# KiCad board data-center-rdimm-ddr5-tester.kicad_pcb
title: RDIMM DDR5 Tester; date: 2026-05-21; rev: 2.2.0; company: Antmicro
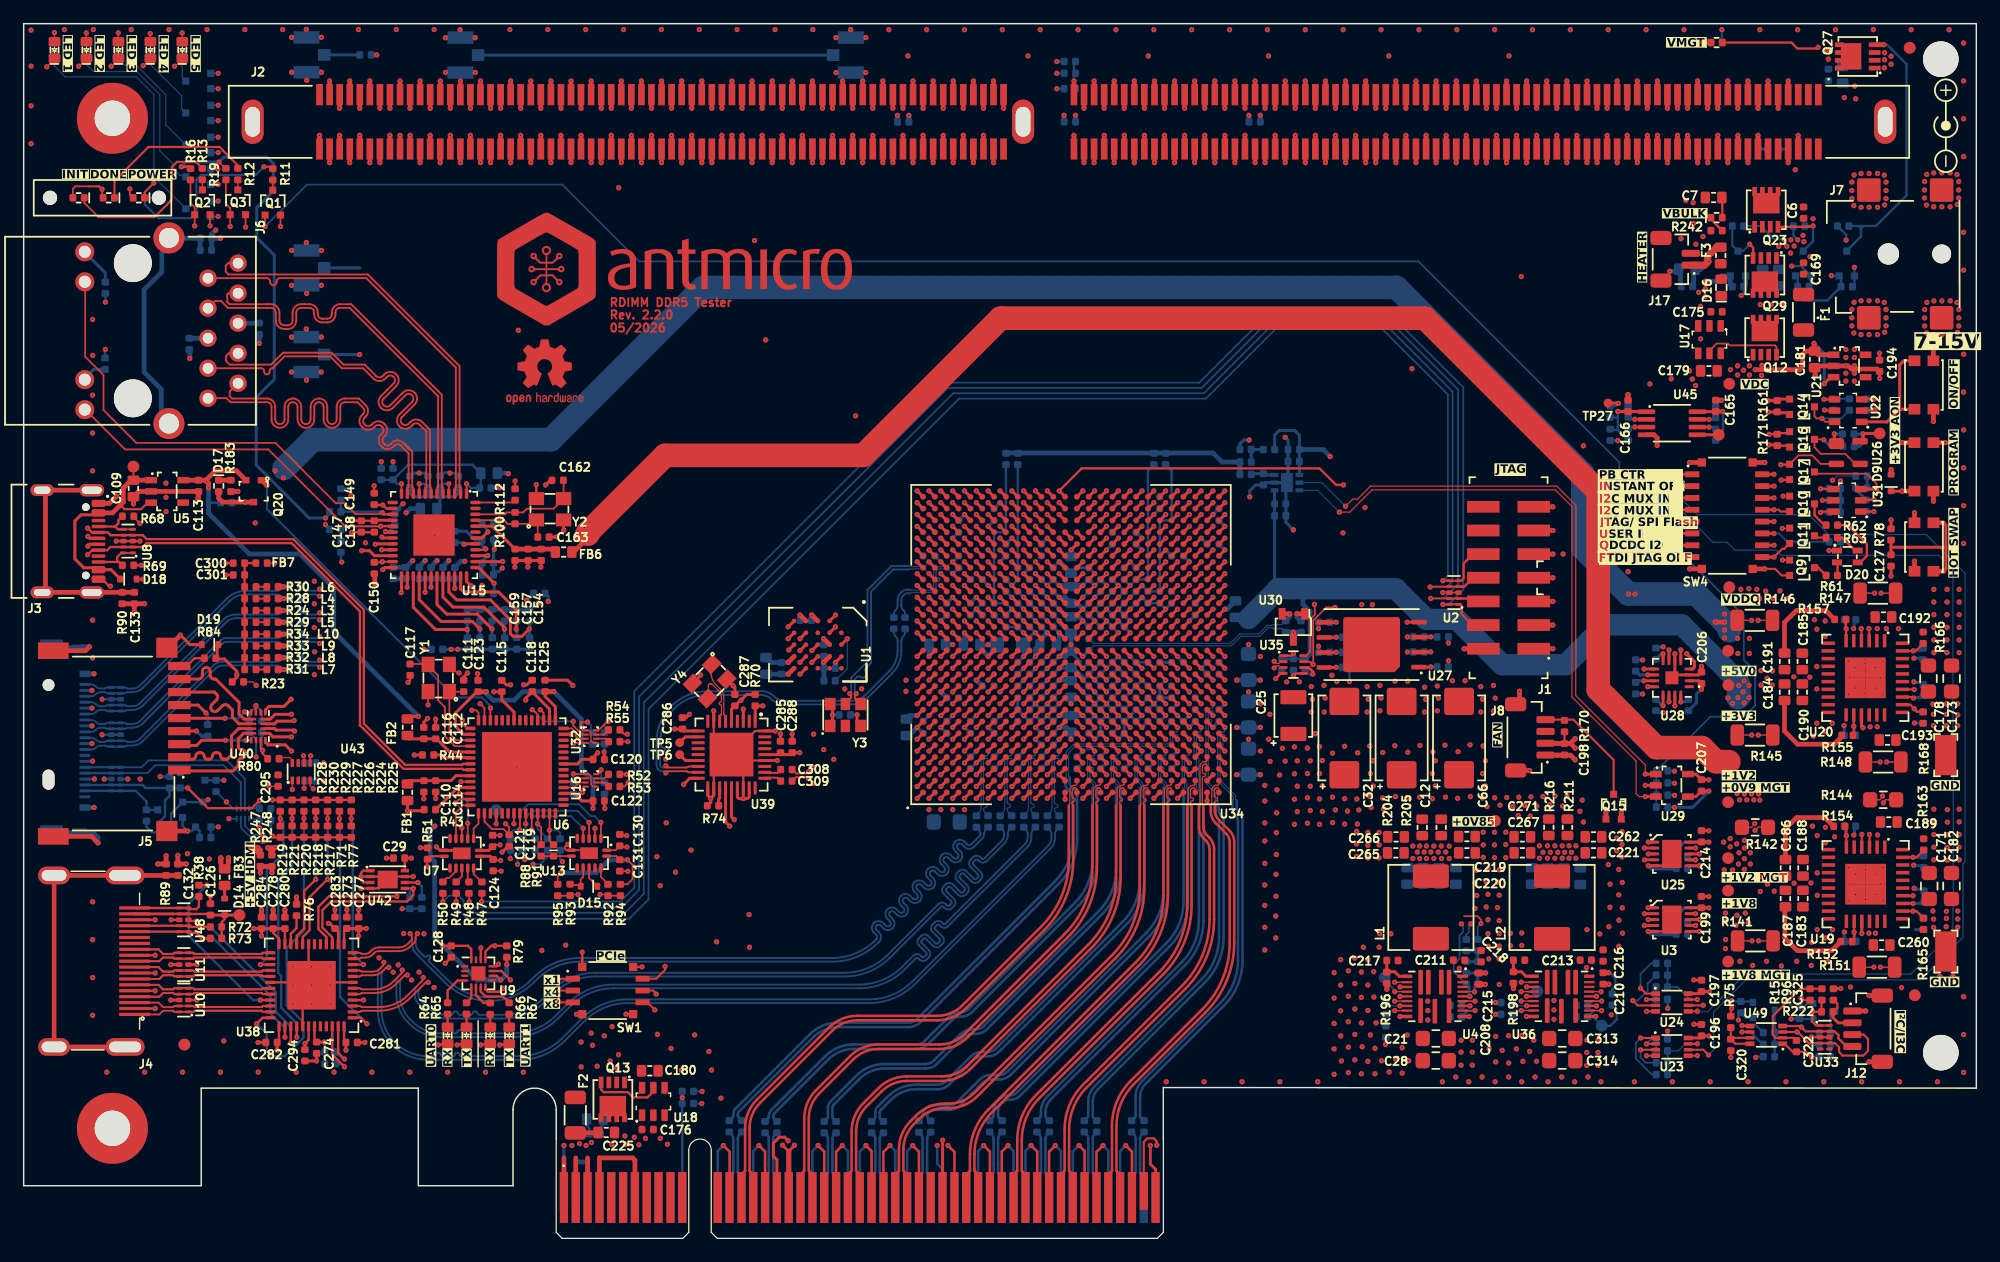
[diagram p0: board, top side]
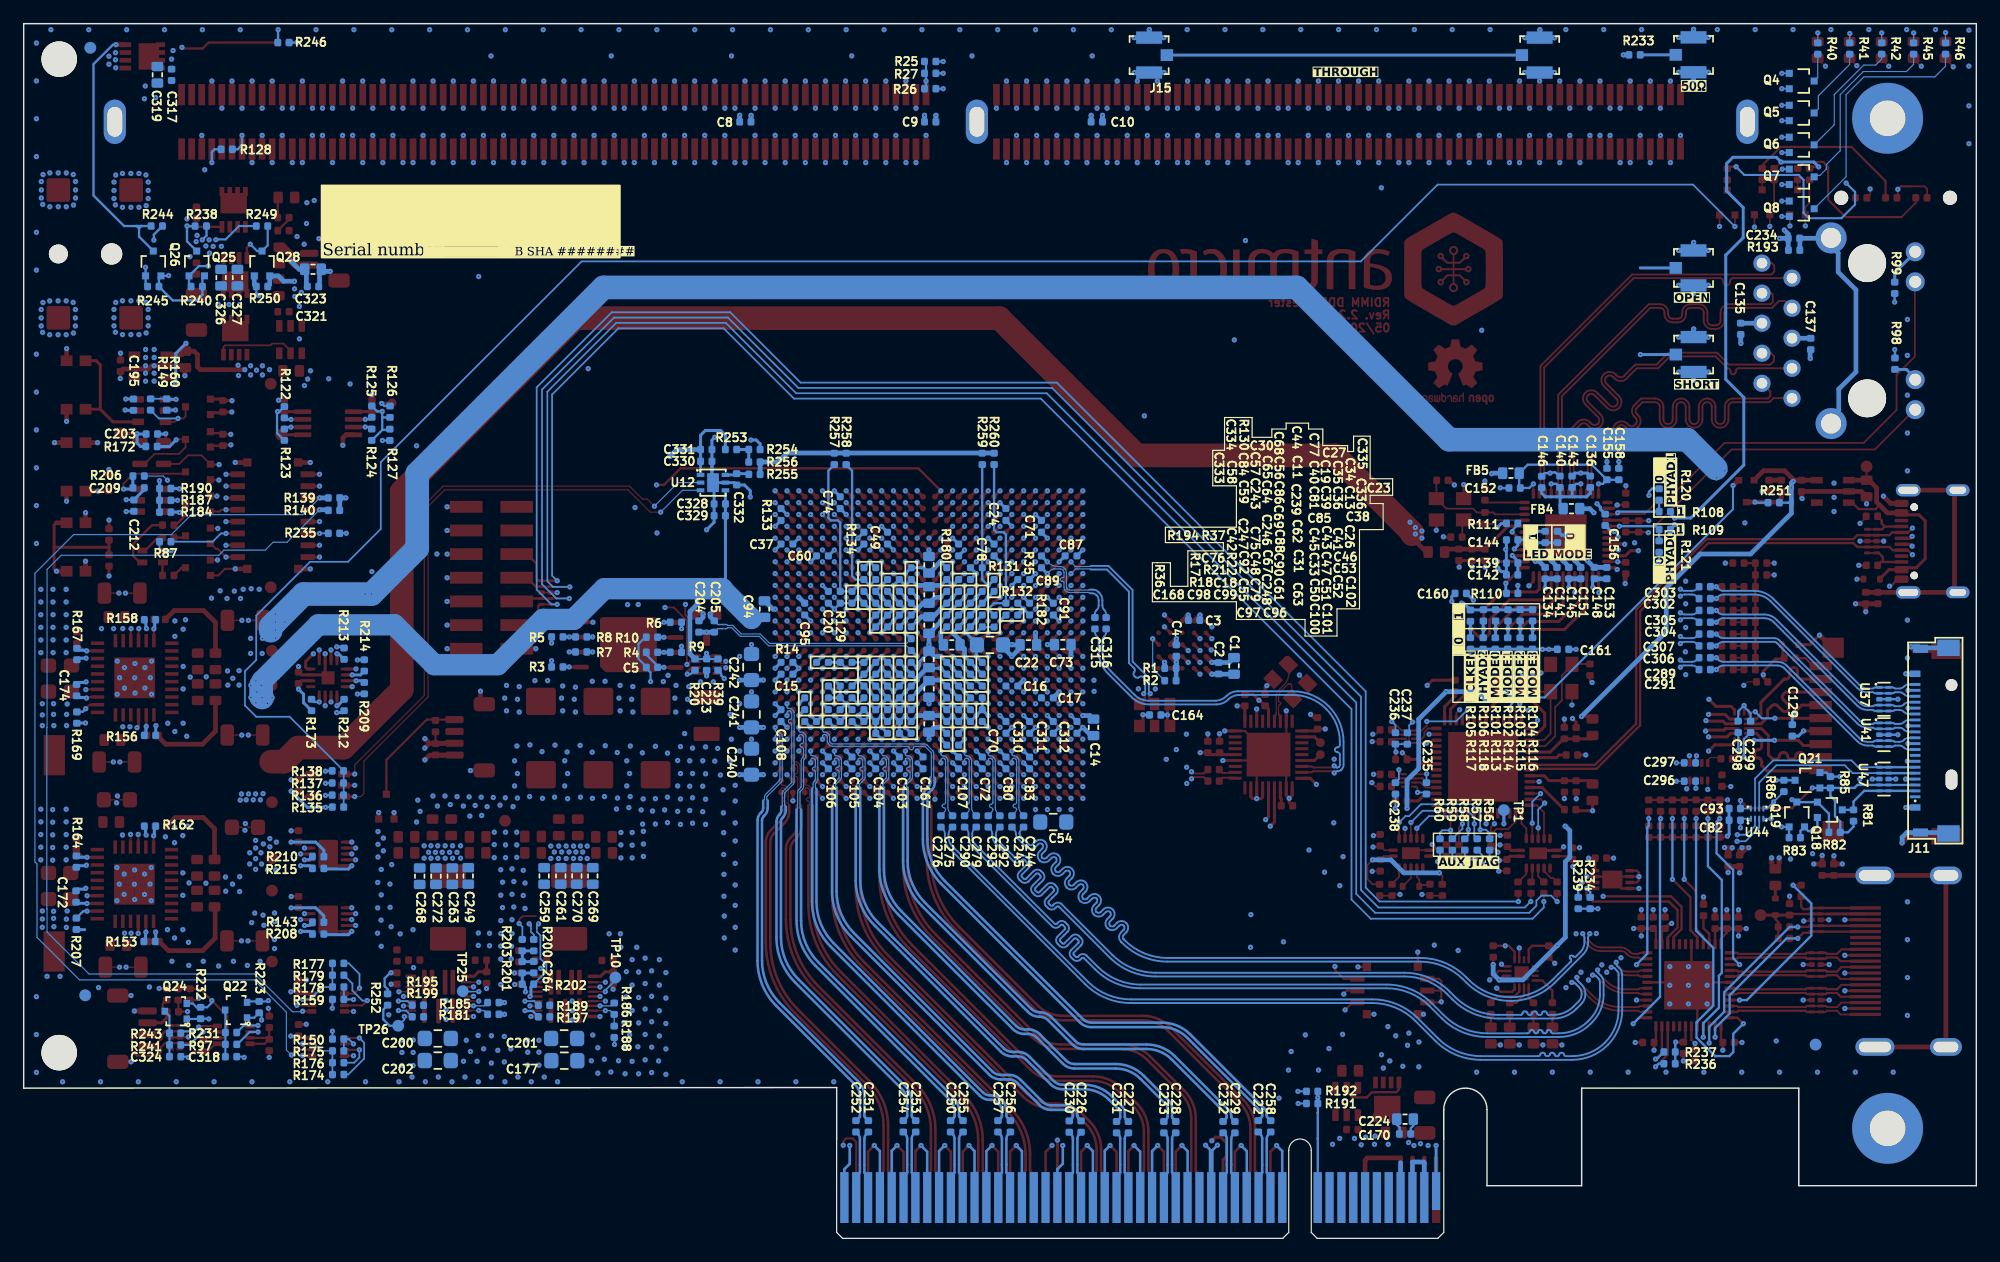
[diagram p1: board, bottom side, seen from below]

Outline 165 x 102.7 mm; copper layers: Top, In1.Cu (plane), In2.Cu, In3.Cu (plane), In4.Cu, In5.Cu (plane), In6.Cu, In7.Cu (plane), In8.Cu (plane), In9.Cu, In10.Cu (plane), Bottom. Coordinates in mm from the lower left corner of the outline.
Outline path: 165,102.7 0,102.7 0,4.45 15,4.45 15,12.7 33.35,12.7 33.35,4.45 41.35,4.45 41.35,10.88 arc(43.18,12.7) 45,10.88 45,8.4 ; 96.3,8.4 96.3,12.75 165,12.7 165,102.7
Stack: Top 0.035mm / dielectric 0.07mm PR1080 er 3.92 / dielectric 0.07mm PR1080 er 3.92 / In1.Cu 0.018mm / dielectric 0.1mm Isola 370HR er 4.04 / In2.Cu 0.018mm / dielectric 0.07mm PR1080 er 3.92 / dielectric 0.07mm PR1080 er 3.92 / In3.Cu 0.018mm / dielectric 0.1mm Isola 370HR er 4.04 / In4.Cu 0.018mm / dielectric 0.07mm PR1080 er 3.92 / dielectric 0.07mm PR1080 er 3.92 / In5.Cu 0.018mm / dielectric 0.1mm Isola 370HR er 4.04 / In6.Cu 0.018mm / dielectric 0.07mm PR1080 er 3.92 / dielectric 0.07mm PR1080 er 3.92 / In7.Cu 0.018mm / dielectric 0.1mm Isola 370HR er 4.04 / In8.Cu 0.018mm / dielectric 0.07mm PR1080 er 3.92 / dielectric 0.07mm PR1080 er 3.92 / In9.Cu 0.018mm / dielectric 0.1mm Isola 370HR er 4.04 / In10.Cu 0.018mm / dielectric 0.07mm PR1080 er 3.92 / dielectric 0.07mm PR1080 er 3.92 / Bottom 0.035mm

## Placement (name value [footprint] x y rotation side)
A1  -  [Heatsink_ATS-61500R-C2-R0]  88.5 50.2 0 top
C1  C_47u_0603  [C_0603_1608Metric]  62.72 48.4 270 bottom
C2  C_100n_0402  [C_0402_1005Metric]  64.03 48.2 270 bottom
C3  C_100n_0402  [C_0402_1005Metric]  66.1 52.26 0 bottom
C4  C_100n_0402  [C_0402_1005Metric]  67.6 49.7 90 bottom
C5  C_100n_0402  [C_0402_1005Metric]  111.91 48.27 0 bottom
C6  C_100n_0402  [C_0402_1005Metric]  150.4 86.72 90 top
C7  C_10u_25V_0603  [C_0603_1608Metric]  142.8 88 0 top
C8  C_100n_0402  [C_0402_1005Metric]  104.02 94.4 180 bottom
C9  C_100n_0402  [C_0402_1005Metric]  88.4 94.4 180 bottom
C10  C_100n_0402  [C_0402_1005Metric]  74.32 94.4 180 bottom
C11  C_47u_0603  [C_0603_1608Metric]  88.5 54.4 270 bottom
C12  C_Pol_1m_2.5V_KEMET-T520-D  [C_Pol_EIA-D]  116.44 42.3 90 top
C13  C_100n_0402  [C_0402_1005Metric_EIA]  84 52.2 90 bottom
C14  C_47u_0603  [C_0603_1608Metric]  74.6 43.2 90 bottom
C15  C_100n_0402  [C_0402_1005Metric_EIA]  100.5 47.7 180 bottom
C16  C_10u_10V_0402  [C_0402_1005Metric_EIA]  81.5 46.7 0 bottom
C17  C_100n_0402  [C_0402_1005Metric_EIA]  78.5 45.7 0 bottom
C18  C_10u_10V_0402  [C_0402_1005Metric_EIA]  94.5 44.7 0 bottom
C19  C_100n_0402  [C_0402_1005Metric_EIA]  86 54.2 90 bottom
C20  C_100n_0402  [C_0402_1005Metric_EIA]  97 54.2 90 bottom
C21  C_22u_25V_0805  [C_0805_2012Metric]  119.32 16.9 0 top
C22  C_47u_0603  [C_0603_1608Metric]  80.1 50.17 0 bottom
C23  C_10u_10V_0402  [C_0402_1005Metric_EIA]  81.5 52.7 0 bottom
C24  C_100n_0402  [C_0402_1005Metric_EIA]  82 61.2 90 bottom
C25  C_Pol_330u_6.3V_KEMET-T520-B  [C_Pol_EIA-B]  107.29 44.2 90 top
C26  C_100n_0402  [C_0402_1005Metric_EIA]  84 48.2 90 bottom
C27  C_10u_10V_0402  [C_0402_1005Metric_EIA]  85.5 55.7 0 bottom
C28  C_22u_25V_0805  [C_0805_2012Metric]  119.33 15.03 0 top
C29  C_100n_0402  [C_0402_1005Metric]  31.73 32.15 180 top
C30  C_10u_10V_0402  [C_0402_1005Metric_EIA]  91.5 55.7 180 bottom
C31  C_47u_0603  [C_0603_1608Metric]  88.5 46.45 90 bottom
C32  C_Pol_1m_2.5V_KEMET-T520-D  [C_Pol_EIA-D]  111.6 42.3 90 top
C33  C_100n_0402  [C_0402_1005Metric_EIA]  87 46.2 270 bottom
C34  C_1u_25V_0402  [C_0402_1005Metric_EIA]  84 54.2 90 bottom
C35  C_1u_25V_0402  [C_0402_1005Metric_EIA]  85 54.2 270 bottom
C36  C_1u_25V_0402  [C_0402_1005Metric_EIA]  85 52.2 270 bottom
C37  C_10u_10V_0402  [C_0402_1005Metric_EIA]  100.5 58.7 180 bottom
C38  C_100u_0805  [C_0805_2012Metric]  83.35 50.17 0 bottom
C39  C_1u_25V_0402  [C_0402_1005Metric_EIA]  86 52.2 90 bottom
C40  C_1u_25V_0402  [C_0402_1005Metric_EIA]  87 54.2 270 bottom
C41  C_1u_25V_0402  [C_0402_1005Metric_EIA]  85 48.2 270 bottom
C42  C_100n_0402  [C_0402_1005Metric_EIA]  94 48.2 90 bottom
C43  C_1u_25V_0402  [C_0402_1005Metric_EIA]  86 48.2 90 bottom
C44  C_47u_0603  [C_0603_1608Metric]  88.5 56.95 270 bottom
C45  C_1u_25V_0402  [C_0402_1005Metric_EIA]  87 48.2 270 bottom
C46  C_1u_25V_0402  [C_0402_1005Metric_EIA]  84.5 46.7 180 bottom
C47  C_1u_25V_0402  [C_0402_1005Metric_EIA]  86 46.2 90 bottom
C48  C_100n_0402  [C_0402_1005Metric_EIA]  92 46.2 270 bottom
C49  C_10u_10V_0402  [C_0402_1005Metric_EIA]  92 59.2 90 bottom
C50  C_1u_25V_0402  [C_0402_1005Metric_EIA]  87 44.2 90 bottom
C51  C_1u_25V_0402  [C_0402_1005Metric_EIA]  86 44.2 90 bottom
C52  C_1u_25V_0402  [C_0402_1005Metric_EIA]  85 44.2 90 bottom
C53  C_1u_25V_0402  [C_0402_1005Metric_EIA]  84.5 45.7 0 bottom
C54  C_100u_0805  [C_0805_2012Metric]  78 35.2 180 bottom
C55  C_100n_0402  [C_0402_1005Metric_EIA]  93 44.2 90 bottom
C56  C_1u_25V_0402  [C_0402_1005Metric_EIA]  90 54.2 90 bottom
C57  C_1u_25V_0402  [C_0402_1005Metric_EIA]  92 54.2 90 bottom
C58  C_1u_25V_0402  [C_0402_1005Metric_EIA]  94 54.2 90 bottom
C59  C_1u_25V_0402  [C_0402_1005Metric_EIA]  93 52.2 90 bottom
C60  C_100n_0402  [C_0402_1005Metric_EIA]  97.5 57.7 180 bottom
C61  C_100n_0402  [C_0402_1005Metric_EIA]  90 44.2 90 bottom
C62  C_47u_0603  [C_0603_1608Metric]  88.5 48.95 90 bottom
C63  C_47u_0603  [C_0603_1608Metric]  88.5 43.5 90 bottom
C64  C_100n_0402  [C_0402_1005Metric_EIA]  91 52.2 90 bottom
C65  C_100n_0402  [C_0402_1005Metric_EIA]  91 54.2 270 bottom
C66  C_Pol_1m_2.5V_KEMET-T520-D  [C_Pol_EIA-D]  121.29 42.3 90 top
C67  C_10u_10V_0402  [C_0402_1005Metric_EIA]  91 46.2 270 bottom
C68  C_100n_0402  [C_0402_1005Metric_EIA]  90 56.2 270 bottom
C69  C_100n_0402  [C_0402_1005Metric_EIA]  90 50.2 90 bottom
C70  C_10u_10V_0402  [C_0402_1005Metric_EIA]  82 43.2 270 bottom
C71  C_10u_10V_0402  [C_0402_1005Metric_EIA]  79 60.2 90 bottom
C72  C_4u7_0402  [C_0402_1005Metric_EIA]  84 40.2 270 bottom
C73  C_47u_0603  [C_0603_1608Metric]  77.2 50.2 180 bottom
C74  C_100n_0402  [C_0402_1005Metric_EIA]  96 62.2 270 bottom
C75  C_1u_25V_0402  [C_0402_1005Metric_EIA]  92 48.2 270 bottom
C76  C_100n_0402  [C_0402_1005Metric_EIA]  95.5 46.7 0 bottom
C77  C_1u_25V_0402  [C_0402_1005Metric_EIA]  87 56.2 270 bottom
C78  C_100n_0402  [C_0402_1005Metric_EIA]  83 58.2 90 bottom
C79  C_1u_25V_0402  [C_0402_1005Metric_EIA]  92 44.2 90 bottom
C80  C_100n_0402  [C_0402_1005Metric_EIA]  82 40.2 90 bottom
C81  C_1u_25V_0402  [C_0402_1005Metric_EIA]  87 52.2 270 bottom
C82  C_100n_0402  [C_0402_1005Metric]  20.41 35.35 0 bottom
C83  C_100n_0402  [C_0402_1005Metric_EIA]  80 40.2 90 bottom
C84  C_1u_25V_0402  [C_0402_1005Metric_EIA]  93 54.2 270 bottom
C85  C_47u_0603  [C_0603_1608Metric]  86.57 50.17 180 bottom
C86  C_1u_25V_0402  [C_0402_1005Metric_EIA]  90 52.2 270 bottom
C87  C_10u_10V_0402  [C_0402_1005Metric_EIA]  76.5 57.7 0 bottom
C88  C_1u_25V_0402  [C_0402_1005Metric_EIA]  90 48.2 270 bottom
C89  C_100n_0402  [C_0402_1005Metric_EIA]  80.5 55.7 0 bottom
C90  C_1u_25V_0402  [C_0402_1005Metric_EIA]  90 46.2 90 bottom
C91  C_100n_0402  [C_0402_1005Metric_EIA]  78 53.2 90 bottom
C92  C_1u_25V_0402  [C_0402_1005Metric_EIA]  93 46.2 90 bottom
C93  C_100n_0402  [C_0402_1005Metric]  20.41 36.34 0 bottom
C94  C_47u_0603  [C_0603_1608Metric]  102.4 53.2 90 bottom
C95  C_10u_10V_0402  [C_0402_1005Metric_EIA]  99 53.2 270 bottom
C96  C_100n_0402  [C_0402_1005Metric_EIA]  90.5 42.7 180 bottom
C97  C_4u7_0402  [C_0402_1005Metric_EIA]  92.5 42.7 0 bottom
C98  C_100n_0402  [C_0402_1005Metric_EIA]  96.5 43.7 0 bottom
C99  C_100n_0402  [C_0402_1005Metric_EIA]  94.5 43.7 0 bottom
C100  C_100n_0402  [C_0402_1005Metric_EIA]  87 42.2 90 bottom
C101  C_100n_0402  [C_0402_1005Metric_EIA]  86 42.2 90 bottom
C102  C_4u7_0402  [C_0402_1005Metric_EIA]  84 44.2 90 bottom
C103  C_4u7_0402  [C_0402_1005Metric_EIA]  91 40.2 270 bottom
C104  C_100n_0402  [C_0402_1005Metric_EIA]  93 40.2 90 bottom
C105  C_100n_0402  [C_0402_1005Metric_EIA]  95 40.2 90 bottom
C106  C_100n_0402  [C_0402_1005Metric_EIA]  97 40.2 90 bottom
C107  C_100n_0402  [C_0402_1005Metric_EIA]  86 40.2 90 bottom
C108  C_100n_0402  [C_0402_1005Metric_EIA]  101 44.2 270 bottom
C109  C_10u_25V_0603  [C_0603_1608Metric]  9.27 63.4 90 top
C110  C_100n_0402  [C_0402_1005Metric]  33.81 38.21 270 top
C111  C_18p_0402  [C_0402_1005Metric]  37.18 46.7 90 top
C112  C_100n_0402  [C_0402_1005Metric]  34.81 42.72 90 top
C113  C_10u_6.3V_0402  [C_0402_1005Metric]  14.77 63.62 90 top
C114  C_4u7_0402  [C_0402_1005Metric]  34.81 38.22 270 top
C115  C_100n_0402  [C_0402_1005Metric]  40.4 46.7 90 top
C116  C_4u7_0402  [C_0402_1005Metric]  33.81 42.71 90 top
C117  C_18p_0402  [C_0402_1005Metric]  32.65 48.08 270 top
C118  C_100n_0402  [C_0402_1005Metric]  42.97 46.71 90 top
C119  C_100n_0402  [C_0402_1005Metric]  41.02 33.65 270 top
C120  C_100n_0402  [C_0402_1005Metric]  48.59 40.48 0 top
C121  C_100n_0402  [C_0402_1005Metric]  39.62 33.6 270 top
C122  C_4u7_0402  [C_0402_1005Metric]  48.59 36.98 0 top
C123  C_100n_0402  [C_0402_1005Metric]  38.4 46.7 90 top
C124  C_100n_0402  [C_0402_1005Metric]  39.67 31.55 90 top
C125  C_100n_0402  [C_0402_1005Metric]  44.05 46.71 90 top
C126  C_10u_6.3V_0402  [C_0402_1005Metric]  15.78 27.81 270 top
C127  C_1u_0402  [C_0402_1005Metric]  157.79 57.31 270 top  (not fitted)
C128  C_100n_0402  [C_0402_1005Metric]  36.12 24.25 90 top
C129  C_1u_0402  [C_0402_1005Metric]  15.55 42.95 90 bottom
C130  C_100n_0402  [C_0402_1005Metric]  50.38 33.67 270 top
C131  C_100n_0402  [C_0402_1005Metric]  50.38 31.53 90 top
C132  C_100n_0402  [C_0402_1005Metric]  13.03 31.17 90 top
C133  C_100n_0402  [C_0402_1005Metric]  9.35 54.14 270 top
C134  C_4u7_0402  [C_0402_1005Metric]  36.43 56.25 90 bottom
C135  C_100n_0402  [C_0402_1005Metric]  19.91 76.9 90 bottom
C136  C_10n_0402  [C_0402_1005Metric]  32.62 63.97 90 bottom
C137  C_100n_0402  [C_0402_1005Metric]  13.99 75.62 90 bottom
C138  C_470n_0402  [C_0402_1005Metric]  29.62 60.19 270 top
C139  C_4u7_0402  [C_0402_1005Metric]  39.22 57.1 0 bottom
C140  C_10n_0402  [C_0402_1005Metric]  35.19 63.97 90 bottom
C141  C_10n_0402  [C_0402_1005Metric]  35.43 56.25 90 bottom
C142  C_470n_0402  [C_0402_1005Metric]  39.22 56.1 0 bottom
C143  C_470n_0402  [C_0402_1005Metric]  34.16 63.97 90 bottom
C144  C_10n_0402  [C_0402_1005Metric]  39.22 59.05 0 bottom
C145  C_470n_0402  [C_0402_1005Metric]  34.43 56.25 90 bottom
C146  C_4u7_0402  [C_0402_1005Metric]  36.72 63.95 90 bottom
C147  C_10n_0402  [C_0402_1005Metric]  28.53 60.19 270 top
C148  C_470n_0402  [C_0402_1005Metric]  32.27 56.25 90 bottom
C149  C_470n_0402  [C_0402_1005Metric]  29.62 62.52 90 top
C150  C_10n_0402  [C_0402_1005Metric]  29.62 56.67 270 top
C151  C_10n_0402  [C_0402_1005Metric]  33.43 56.25 90 bottom
C152  C_4u7_0402  [C_0402_1005Metric]  39.01 63.44 0 bottom
C153  C_10n_0402  [C_0402_1005Metric]  31.23 56.25 90 bottom
C154  C_10n_0402  [C_0402_1005Metric]  43.72 57.79 90 top
C155  C_4u7_0402  [C_0402_1005Metric]  31.21 64.62 90 bottom
C156  C_10n_0402  [C_0402_1005Metric]  31.36 60.75 90 bottom
C157  C_100n_0402  [C_0402_1005Metric]  42.62 57.79 90 top
C158  C_4u7_0402  [C_0402_1005Metric]  30.21 64.62 90 bottom
C159  C_4u7_0402  [C_0402_1005Metric]  41.53 57.79 90 top
C160  C_100n_0402  [C_0402_1005Metric]  43.57 54.53 0 bottom
C161  C_100n_0402  [C_0402_1005Metric]  34.92 49.8 180 bottom
C162  C_18p_0402  [C_0402_1005Metric]  45.12 64.09 0 top
C163  C_18p_0402  [C_0402_1005Metric]  43.93 59.29 180 top
C164  C_100n_0402  [C_0402_1005Metric]  69.38 44.25 180 bottom
C165  C_100n_0402  [C_0402_1005Metric]  142.98 70.38 90 top
C166  C_100n_0402  [C_0402_1005Metric]  135.57 70.38 90 top
C167  C_10u_10V_0402  [C_0402_1005Metric_EIA]  89 40.2 90 bottom
C168  C_10u_10V_0402  [C_0402_1005Metric_EIA]  98.5 43.7 0 bottom
C169  C_100n_0402  [C_0402_1005Metric]  150.4 82 270 top
C170  C_100n_0402  [C_0402_1005Metric]  48.28 8.82 180 bottom
C171  C_22u_25V_0805  [C_0805_2012Metric]  161.02 29.79 90 top
C172  C_1u_0402  [C_0402_1005Metric]  160.57 28.9 270 bottom
C173  C_22u_25V_0805  [C_0805_2012Metric]  162.91 47.33 90 top
C174  C_1u_0402  [C_0402_1005Metric]  160.52 46.35 270 bottom
C175  C_100n_0402  [C_0402_1005Metric]  143.05 78.34 0 top
C176  C_100n_0402  [C_0402_1005Metric]  52.73 9.2 180 top
C177  C_22u_25V_0805  [C_0805_2012Metric]  119.32 15.02 0 bottom
C178  C_22u_25V_0805  [C_0805_2012Metric]  160.96 47.33 90 top
C179  C_1u_25V_0603  [C_0603_1608Metric]  142.4 73.34 0 top
C180  C_1u_25V_0603  [C_0603_1608Metric]  52.91 14.16 180 top
C181  C_1u_25V_0603  [C_0603_1608Metric]  151.34 74.31 270 top
C182  C_22u_25V_0805  [C_0805_2012Metric]  162.9 29.79 90 top
C183  C_22u_0603  [C_0603_1608Metric]  150.35 28.73 270 top
C184  C_22u_0603  [C_0603_1608Metric]  148.79 46.18 270 top
C185  C_22u_0603  [C_0603_1608Metric]  150.29 48.78 90 top
C186  C_22u_0603  [C_0603_1608Metric]  148.87 31.33 90 top
C187  C_22u_0603  [C_0603_1608Metric]  148.87 28.73 270 top
C188  C_22u_0603  [C_0603_1608Metric]  150.35 31.33 90 top
C189  C_22u_0603  [C_0603_1608Metric]  157.61 35.2 0 top
C190  C_22u_0603  [C_0603_1608Metric]  150.29 46.18 270 top
C191  C_22u_0603  [C_0603_1608Metric]  148.79 48.78 90 top
C192  C_22u_0603  [C_0603_1608Metric]  157.15 52.53 0 top
C193  C_22u_0603  [C_0603_1608Metric]  157.5 42.13 0 top
C194  C_1u_0402  [C_0402_1005Metric]  156.82 73.77 90 top
C195  C_100n_0402  [C_0402_1005Metric]  155.72 70.49 90 bottom
C196  C_100n_0402  [C_0402_1005Metric]  141.77 17.6 270 top
C197  C_100n_0402  [C_0402_1005Metric]  141.77 21.35 270 top
C198  C_1u_0402  [C_0402_1005Metric]  130.2 41.35 90 top
C199  C_100n_0402  [C_0402_1005Metric]  141.77 28.43 90 top
C200  C_22u_25V_0805  [C_0805_2012Metric]  130 16.9 0 bottom
C201  C_22u_25V_0805  [C_0805_2012Metric]  119.33 16.9 0 bottom
C202  C_22u_25V_0805  [C_0805_2012Metric]  130 15.03 0 bottom
C203  C_100n_0402  [C_0402_1005Metric]  154.17 68 180 bottom
C204  C_1u_0402  [C_0402_1005Metric]  107.94 51.73 90 bottom
C205  C_100n_0402  [C_0402_1005Metric]  106.64 51.73 90 bottom
C206  C_100n_0402  [C_0402_1005Metric]  141.77 47.39 90 top
C207  C_100n_0402  [C_0402_1005Metric]  141.77 38.3 90 top
C208  C_4u7_25V_0402  [C_0402_1005Metric]  122.98 21.96 90 top
C209  C_100n_0402  [C_0402_1005Metric]  155.29 63.45 0 bottom
C210  C_4u7_25V_0402  [C_0402_1005Metric]  133.47 21.97 90 top
C211  C_1u_25V_0402  [C_0402_1005Metric]  121.29 23.52 180 top
C212  C_100n_0402  [C_0402_1005Metric]  155.69 61.95 270 bottom
C213  C_1u_25V_0402  [C_0402_1005Metric]  132 23.52 180 top
C214  C_100n_0402  [C_0402_1005Metric]  141.77 33.99 90 top
C215  C_220n_16V_0402  [C_0402_1005Metric]  123.15 23.85 90 top
C216  C_220n_16V_0402  [C_0402_1005Metric]  133.47 23.91 90 top
C217  C_4u7_25V_0402  [C_0402_1005Metric]  115.66 23.49 180 top
C218  C_4u7_25V_0402  [C_0402_1005Metric]  126.37 23.51 180 top
C219  C_22u_0603  [C_0603_1608Metric]  121.96 33.97 180 top
C220  C_22u_0603  [C_0603_1608Metric]  121.96 32.59 180 top
C221  C_22u_0603  [C_0603_1608Metric]  132.65 32.6 180 top
C222  C_10n_0402  [C_0402_1005Metric]  60.67 9.48 270 bottom
C223  C_100n_0402  [C_0402_1005Metric]  107.29 48.51 90 bottom
C224  C_10u_25V_0603  [C_0603_1608Metric]  48.28 10.07 180 bottom
C225  C_10u_25V_0603  [C_0603_1608Metric]  49.22 8.95 180 top
C226  C_100n_0402  [C_0402_1005Metric]  75.65 9.45 90 bottom
C227  C_100n_0402  [C_0402_1005Metric]  71.65 9.4 90 bottom
C228  C_100n_0402  [C_0402_1005Metric]  67.65 9.4 90 bottom
C229  C_100n_0402  [C_0402_1005Metric]  62.65 9.4 90 bottom
C230  C_100n_0402  [C_0402_1005Metric]  76.65 9.45 90 bottom
C231  C_100n_0402  [C_0402_1005Metric]  72.65 9.4 90 bottom
C232  C_100n_0402  [C_0402_1005Metric]  63.65 9.4 90 bottom
C233  C_100n_0402  [C_0402_1005Metric]  68.65 9.4 270 bottom
C234  C_100n_0402  [C_0402_1005Metric]  15.41 84.55 0 bottom
C235  C_100n_0402  [C_0402_1005Metric]  46.46 38.05 90 bottom
C236  C_100n_0402  [C_0402_1005Metric]  49.08 42.27 90 bottom
C237  C_100n_0402  [C_0402_1005Metric]  48.07 42.26 90 bottom
C238  C_100n_0402  [C_0402_1005Metric]  49.08 38.05 90 bottom
C239  C_47u_0603  [C_0603_1608Metric]  88.5 51.85 270 bottom
C240  C_100u_0805  [C_0805_2012Metric]  103.5 40.3 90 bottom
C241  C_100u_0805  [C_0805_2012Metric]  103.5 44.3 90 bottom
C242  C_100u_0805  [C_0805_2012Metric]  103.5 48.3 90 bottom
C243  C_10u_10V_0402  [C_0402_1005Metric_EIA]  92 52.2 270 bottom
C244  C_100n_0402  [C_0402_1005Metric]  80.51 35.25 90 bottom
C245  C_100n_0402  [C_0402_1005Metric]  81.49 35.25 90 bottom
C246  C_1u_25V_0402  [C_0402_1005Metric_EIA]  91 48.2 90 bottom
C247  C_1u_25V_0402  [C_0402_1005Metric_EIA]  93 48.2 270 bottom
C248  C_1u_25V_0402  [C_0402_1005Metric_EIA]  91 44.2 90 bottom
C249  C_22u_0603  [C_0603_1608Metric]  127.44 30.64 90 bottom
C250  C_100n_0402  [C_0402_1005Metric]  86.67 9.47 270 bottom
C251  C_100n_0402  [C_0402_1005Metric]  93.62 9.47 90 bottom
C252  C_100n_0402  [C_0402_1005Metric]  94.67 9.47 90 bottom
C253  C_100n_0402  [C_0402_1005Metric]  89.62 9.47 90 bottom
C254  C_100n_0402  [C_0402_1005Metric]  90.67 9.47 90 bottom
C255  C_100n_0402  [C_0402_1005Metric]  85.62 9.47 90 bottom
C256  C_100n_0402  [C_0402_1005Metric]  81.62 9.47 90 bottom
C257  C_100n_0402  [C_0402_1005Metric]  82.67 9.47 90 bottom
C258  C_10n_0402  [C_0402_1005Metric]  59.62 9.47 270 bottom
C259  C_22u_0603  [C_0603_1608Metric]  121.02 30.64 90 bottom
C260  C_22u_0603  [C_0603_1608Metric]  157 24.8 0 top
C261  C_22u_0603  [C_0603_1608Metric]  119.62 30.64 90 bottom
C262  C_22u_0603  [C_0603_1608Metric]  132.65 33.94 180 top
C263  C_22u_0603  [C_0603_1608Metric]  128.78 30.62 90 bottom
C264  C_22p_0402  [C_0402_1005Metric]  121.9 22.92 90 bottom
C265  C_22u_0603  [C_0603_1608Metric]  115.94 32.59 0 top
C266  C_22u_0603  [C_0603_1608Metric]  115.97 33.94 0 top
C267  C_22u_0603  [C_0603_1608Metric]  126.64 32.6 0 top
C268  C_22u_0603  [C_0603_1608Metric]  131.53 30.62 90 bottom
C269  C_22u_0603  [C_0603_1608Metric]  116.91 30.64 90 bottom
C270  C_22u_0603  [C_0603_1608Metric]  118.26 30.64 90 bottom
C271  C_22u_0603  [C_0603_1608Metric]  126.63 33.94 0 top
C272  C_22u_0603  [C_0603_1608Metric]  130.15 30.62 90 bottom
C273  C_100n_0402  [C_0402_1005Metric]  27.31 26.68 90 top
C274  C_100n_0402  [C_0402_1005Metric]  24.76 16.11 270 top
C275  C_100n_0402  [C_0402_1005Metric]  86.51 35.25 90 bottom
C276  C_100n_0402  [C_0402_1005Metric]  87.49 35.25 90 bottom
C277  C_10u_10V_0402  [C_0402_1005Metric]  28.31 26.68 270 top
C278  C_100n_0402  [C_0402_1005Metric]  21.09 26.67 90 top
C279  C_100n_0402  [C_0402_1005Metric]  84.51 35.25 90 bottom
C280  C_100n_0402  [C_0402_1005Metric]  22.08 26.67 90 top
C281  C_100n_0402  [C_0402_1005Metric]  27.71 16.56 0 top
C282  C_100n_0402  [C_0402_1005Metric]  20.94 16.56 180 top
C283  C_100n_0402  [C_0402_1005Metric]  26.31 26.68 90 top
C284  C_10u_10V_0402  [C_0402_1005Metric]  20.1 26.67 270 top
C285  C_100n_0402  [C_0402_1005Metric]  63.95 41.55 90 top
C286  C_100n_0402  [C_0402_1005Metric]  55.67 43.55 90 top
C287  C_100n_0402  [C_0402_1005Metric]  60.1 45.5 90 top
C288  C_10u_10V_0402  [C_0402_1005Metric]  64.94 41.55 270 top
C289  C_100n_0402  [C_0402_1005Metric]  22.95 49.09 180 bottom
C290  C_100n_0402  [C_0402_1005Metric]  85.49 35.25 90 bottom
C291  C_100n_0402  [C_0402_1005Metric]  22.95 48.09 180 bottom
C292  C_100n_0402  [C_0402_1005Metric]  82.51 35.25 90 bottom
C293  C_100n_0402  [C_0402_1005Metric]  83.49 35.25 90 bottom
C294  C_100n_0402  [C_0402_1005Metric]  23.77 15.48 270 top  (not fitted)
C295  C_100n_0402  [C_0402_1005Metric]  21.5 38.7 90 top
C296  C_100n_0402  [C_0402_1005Metric]  24.2 38.65 180 bottom
C297  C_100n_0402  [C_0402_1005Metric]  24.2 40.2 180 bottom
C298  C_100n_0402  [C_0402_1005Metric]  20.12 43.25 270 bottom
C299  C_100n_0402  [C_0402_1005Metric]  19.08 43.25 270 bottom
C300  C_100n_0402  [C_0402_1005Metric]  18.19 57.09 0 top
C301  C_10u_6.3V_0402  [C_0402_1005Metric]  18.19 56.09 0 top
C302  C_100n_0402  [C_0402_1005Metric]  22.95 54.09 0 bottom
C303  C_100n_0402  [C_0402_1005Metric]  22.95 55.09 0 bottom
C304  C_100n_0402  [C_0402_1005Metric]  22.95 52.09 0 bottom
C305  C_100n_0402  [C_0402_1005Metric]  22.95 53.09 0 bottom
C306  C_100n_0402  [C_0402_1005Metric]  22.95 50.09 0 bottom